# Allegro board 1140022-KU060_PCIE_FIBER_BOARD_V001_pcb166_20240120_1835_pcb.brd (continued)
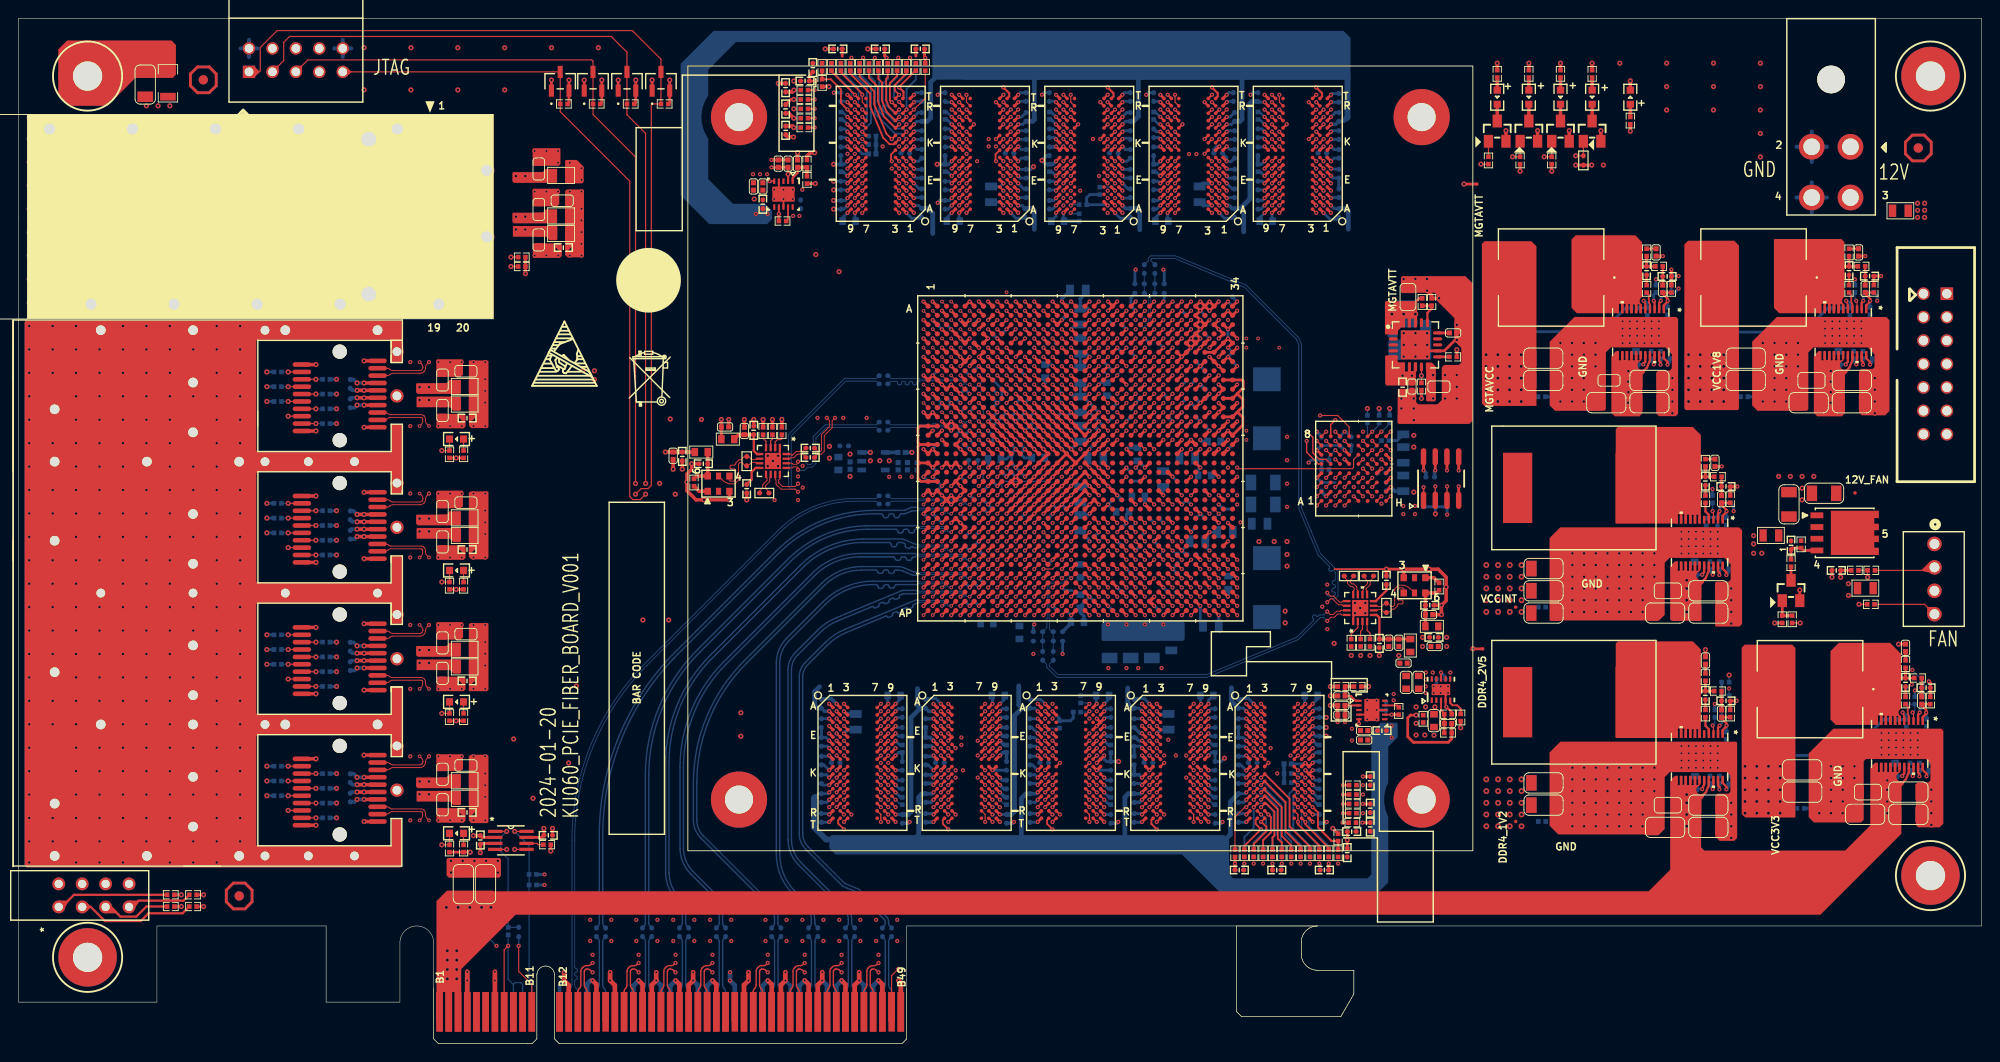
[diagram p0: board, top side]
## Footprints (pads in the part's own frame, mm; a bottom-side part is the same pattern mirrored in y, then rotated) (continued)
H485CGDL
  round 1.397 hole 0.889: 1(0,0) 2(0,-2.54) 3(0,-5.08) 4(0,-7.62) 5(2.5,-7.62) 6(2.5,-5.08) 7(2.5,-2.54) 8(2.5,0)
IHLP4040DZERR
  rect 2.921x3.251 smd: 1(-4.28,0) 2(4.28,0)
L0603
  rect 0.711x0.889 smd: 1(-0.7,0) 2(0.7,0)
L0805
  rect 0.813x1.346 smd: 1(-0.85,0) 2(0.85,0)
LED_0603
  rect 0.76x0.8 smd: 1(-0.759,0) 2(0.759,0)
LMK1D1204RGT
  rect 0.813x0.254 smd: 1(-1.448,0.75) 2(-1.448,0.25) 3(-1.448,-0.25) 4(-1.448,-0.75) 9(1.448,-0.75) 10(1.448,-0.25) 11(1.448,0.25) 12(1.448,0.75)
  rect 0.254x0.813 smd: 5(-0.75,-1.448) 6(-0.25,-1.448) 7(0.25,-1.448) 8(0.75,-1.448) 13(0.75,1.448) 14(0.25,1.448) 15(-0.25,1.448) 16(-0.75,1.448)
  rect 1.753x1.753 smd: 17(0,0)
MH_250H125
  round 6.35 hole 3.175: 1(0,0)
NDS331N
  rect 1.016x1.397 smd: 1(-0.95,-1.1) 2(0.95,-1.1) 3(0,1.1)
PA0513_441NLT
  rect 3.175x7.62 smd: 1(-6.195,0) 2(5.995,0)
PC28F512P30TFA_BGA64
  round 0.432 smd: A1(-3.5,3.5) A2(-2.5,3.5) A3(-1.5,3.5) A4(-0.5,3.5) A5(0.5,3.5) A6(1.5,3.5) A7(2.5,3.5) A8(3.5,3.5) B1(-3.5,2.5) B2(-2.5,2.5) B3(-1.5,2.5) B4(-0.5,2.5) B5(0.5,2.5) B6(1.5,2.5) B7(2.5,2.5) B8(3.5,2.5) C1(-3.5,1.5) C2(-2.5,1.5) C3(-1.5,1.5) C4(-0.5,1.5) C5(0.5,1.5) C6(1.5,1.5) C7(2.5,1.5) C8(3.5,1.5) D1(-3.5,0.5) D2(-2.5,0.5) D3(-1.5,0.5) D4(-0.5,0.5) D5(0.5,0.5) D6(1.5,0.5) D7(2.5,0.5) D8(3.5,0.5) E1(-3.5,-0.5) E2(-2.5,-0.5) E3(-1.5,-0.5) E4(-0.5,-0.5) E5(0.5,-0.5) E6(1.5,-0.5) E7(2.5,-0.5) E8(3.5,-0.5) F1(-3.5,-1.5) F2(-2.5,-1.5) F3(-1.5,-1.5) F4(-0.5,-1.5) F5(0.5,-1.5) F6(1.5,-1.5) F7(2.5,-1.5) F8(3.5,-1.5) G1(-3.5,-2.5) G2(-2.5,-2.5) G3(-1.5,-2.5) G4(-0.5,-2.5) G5(0.5,-2.5) G6(1.5,-2.5) G7(2.5,-2.5) G8(3.5,-2.5) H1(-3.5,-3.5) H2(-2.5,-3.5) H3(-1.5,-3.5) H4(-0.5,-3.5) H5(0.5,-3.5) H6(1.5,-3.5) H7(2.5,-3.5) H8(3.5,-3.5)
PCIE_8LANE_EDGE
  rect 0.711x3.2 smd: A1(0,0.495) B17(18,0.495) B31(32,0.495) B48(49,0.495)
  rect 0.711x4.293 smd: A2(1,-0.051) A3(2,-0.051) A4(3,-0.051) A5(4,-0.051) A6(5,-0.051) A7(6,-0.051) A8(7,-0.051) A9(8,-0.051) A10(9,-0.051) A11(10,-0.051) A12(13,-0.051) A13(14,-0.051) A14(15,-0.051) A15(16,-0.051) A16(17,-0.051) A17(18,-0.051) A18(19,-0.051) A19(20,-0.051) A20(21,-0.051) A21(22,-0.051) A22(23,-0.051) A23(24,-0.051) A24(25,-0.051) A25(26,-0.051) A26(27,-0.051) A27(28,-0.051) A28(29,-0.051) A29(30,-0.051) A30(31,-0.051) A31(32,-0.051) A32(33,-0.051) A33(34,-0.051) A34(35,-0.051) A35(36,-0.051) A36(37,-0.051) A37(38,-0.051) A38(39,-0.051) A39(40,-0.051) A40(41,-0.051) A41(42,-0.051) A42(43,-0.051) A43(44,-0.051) A44(45,-0.051) A45(46,-0.051) A46(47,-0.051) A47(48,-0.051) A48(49,-0.051) A49(50,-0.051) B1(0,-0.051) B2(1,-0.051) B3(2,-0.051) B4(3,-0.051) B5(4,-0.051) B6(5,-0.051) B7(6,-0.051) B8(7,-0.051) B9(8,-0.051) B10(9,-0.051) B11(10,-0.051) B12(13,-0.051) B13(14,-0.051) B14(15,-0.051) B15(16,-0.051) B16(17,-0.051) B18(19,-0.051) B19(20,-0.051) B20(21,-0.051) B21(22,-0.051) B22(23,-0.051) B23(24,-0.051) B24(25,-0.051) B25(26,-0.051) B26(27,-0.051) B27(28,-0.051) B28(29,-0.051) B29(30,-0.051) B30(31,-0.051) B32(33,-0.051) B33(34,-0.051) B34(35,-0.051) B35(36,-0.051) B36(37,-0.051) B37(38,-0.051) B38(39,-0.051) B39(40,-0.051) B40(41,-0.051) B41(42,-0.051) B42(43,-0.051) B43(44,-0.051) B44(45,-0.051) B45(46,-0.051) B46(47,-0.051) B47(48,-0.051) B49(50,-0.051)
POWERPAK_SO-8
  rect 1.397x0.635 smd: 1(-3.006,1.904) 2(-3.006,0.634) 3(-3.006,-0.636) 4(-3.006,-1.906)
  custom 5.2x4.8 smd: 5(1.112,-0.001)
  round 0.254 smd: 6(3.3,-0.7) 7(3.3,0.57) 8(3.3,1.84)
QSFP_38
  round 1.6 hole 1.6 unplated: (-1.4,-7.37) (15.4,-7.37)
  oval 0.356x1.803 smd: 1(0,0) 2(0.8,0) 3(1.6,0) 4(2.4,0) 5(3.2,0) 6(4,0) 7(4.8,0) 8(5.6,0) 9(6.4,0) 10(7.2,0) 11(8,0) 12(8.8,0) 13(9.6,0) 14(10.4,0) 15(11.2,0) 16(12,0) 17(12.8,0) 18(13.6,0) 19(14.4,0) 20(14,2.51) 21(13.2,2.51) 22(12.4,2.51) 23(11.6,2.51) 24(10.8,2.51) 25(10,2.51) 26(9.2,2.51) 27(8.4,2.51) 28(7.6,2.51) 29(6.8,2.51) 30(6,2.51) 31(5.2,2.51) 32(4.4,2.51) 33(3.6,2.51) 34(2.8,2.51) 35(2,2.51) 36(1.2,2.51) 37(0.4,2.51) 38(-0.4,2.51)
R0402
  rect 0.508x0.508 smd: 1(-0.4,0) 2(0.4,0)
R0402_BGA
  custom 0.559x0.508 smd: 1(-0.508,0) 2(0.508,0)
R1206
  rect 0.838x1.702 smd: 1(-1.45,0) 2(1.45,0)
SBH11-PBPC-D05-ST-BK
  rect 1.346x1.346 hole 0.94: 1(-5.08,-1.27)
  round 1.346 hole 0.94: 2(-5.08,1.27) 3(-2.54,-1.27) 4(-2.54,1.27) 5(0,-1.27) 6(0,1.27) 7(2.54,-1.27) 8(2.54,1.27) 9(5.08,-1.27) 10(5.08,1.27)
SBH11-PBPC-D07-ST-BK
  round 1.372 hole 1.016: 1(-2.54,0) 3(-2.54,-2.54) 4(0,-2.54) 5(-2.54,-5.08) 6(0,-5.08) 7(-2.54,-7.62) 8(0,-7.62) 9(-2.54,-10.16) 10(0,-10.16) 11(-2.54,-12.7) 12(0,-12.7) 13(-2.54,-15.24) 14(0,-15.24)
  rect 1.372x1.372 hole 1.016: 2(0,0)
SFP_1X4_CAGE
  round 1.549 hole 1.549 unplated: (-54.675,30.9) (-45.075,30.9) (-40.425,30.9) (-30.825,30.9) (-26.175,30.9) (-16.575,30.9) (-11.925,30.9) (-2.325,30.9)
  rect 2.007x2.007 hole 1.05: 1(-57,35) 3(-57,25) 5(-57,15) 6(-57,5) 7(-48.425,0) 8(-42.75,0) 9(-34.175,0) 10(-19.925,0) 11(-5.675,0) 12(0,0) 14(-14.25,5) 15(-42.75,10) 16(0,10) 17(-51.325,15) 18(-45.925,15) 19(-37.075,15) 20(-31.675,15) 22(-22.825,15) 23(-17.425,15) 24(-14.25,15) 25(-8.575,15) 26(-3.175,15) 27(-42.75,20) 28(0,20) 33(-14.25,25) 39(-14.25,35)
  round 1.448 hole 0.95: 2(-7.125,37.1) 4(-56.999,22.8) 13(-28.5,5) 21(-28.5,15) 29(-42.75,22.8) 30(-14.25,22.8) 31(0,22.8) 32(-28.5,25) 34(-42.75,27.5) 35(0,27.5) 36(-42.75,32.5) 37(0,32.5) 38(-28.5,35) 40(-54.675,37.1) 41(-49.875,37.1) 42(-40.425,37.1) 43(-35.625,37.1) 44(-26.175,37.1) 45(-21.375,37.1) 46(-11.925,37.1)
  oval 0.508x2.007 smd: A1(-53.275,26.8) A2(-52.475,26.8) A3(-51.675,26.8) A4(-50.875,26.8) A5(-50.075,26.8) A6(-49.275,26.8) A7(-48.475,26.8) A8(-47.675,26.8) A9(-46.875,26.8) A10(-46.075,26.8) A11(-46.475,35) A12(-47.275,35) A13(-48.075,35) A14(-48.875,35) A15(-49.675,35) A16(-50.475,35) A17(-51.275,35) A18(-52.075,35) A19(-52.875,35) A20(-53.675,35) B1(-39.025,26.8) B2(-38.225,26.8) B3(-37.425,26.8) B4(-36.625,26.8) B5(-35.825,26.8) B6(-35.025,26.8) B7(-34.225,26.8) B8(-33.425,26.8) B9(-32.625,26.8) B10(-31.825,26.8) B11(-32.225,35) B12(-33.025,35) B13(-33.825,35) B14(-34.625,35) B15(-35.425,35) B16(-36.225,35) B17(-37.025,35) B18(-37.825,35) B19(-38.625,35) B20(-39.425,35) C1(-24.775,26.8) C2(-23.975,26.8) C3(-23.175,26.8) C4(-22.375,26.8) C5(-21.575,26.8) C6(-20.775,26.8) C7(-19.975,26.8) C8(-19.175,26.8) C9(-18.375,26.8) C10(-17.575,26.8) C11(-17.975,35) C12(-18.775,35) C13(-19.575,35) C14(-20.375,35) C15(-21.175,35) C16(-21.975,35) C17(-22.775,35) C18(-23.575,35) C19(-24.375,35) C20(-25.175,35) D1(-10.525,26.8) D2(-9.725,26.8) D3(-8.925,26.8) D4(-8.125,26.8) D5(-7.325,26.8) D6(-6.525,26.8) D7(-5.725,26.8) D8(-4.925,26.8) D9(-4.125,26.8) D10(-3.325,26.8) D11(-3.725,35) D12(-4.525,35) D13(-5.325,35) D14(-6.125,35) D15(-6.925,35) D16(-7.725,35) D17(-8.525,35) D18(-9.325,35) D19(-10.125,35) D20(-10.925,35)
SMD-3225
  rect 0.711x0.762 smd: 1(-1.175,-0.825) 3(1.175,-0.825) 4(1.175,0.825) 6(-1.175,0.825)
  rect 0.559x0.762 smd: 2(0,-0.825) 5(0,0.825)
SOT-23
  rect 0.559x1.321 smd: 1(-0.953,-1.016) 2(0.953,-1.016) 3(0,1.016)
SPX3819M5-L-1-8
  rect 0.953x0.508 smd: 1(-1.276,0.95) 2(-1.276,0) 3(-1.276,-0.95) 4(1.276,-0.95) 5(1.276,0.95)
TESTPOINT
  round 0.381 smd: 1(0,0)
TMP75BID
  oval 1.9x0.6 smd: 1(-2.35,1.905) 2(-2.35,0.635) 3(-2.35,-0.635) 4(-2.35,-1.905) 5(2.35,-1.905) 6(2.35,-0.635) 7(2.35,0.635) 8(2.35,1.905)
TPS7A9201DSKR
  rect 0.6x0.25 smd: 1(-1.15,1) 2(-1.15,0.5) 3(-1.15,0) 4(-1.15,-0.5) 5(-1.15,-1) 6(1.15,-1) 7(1.15,-0.5) 8(1.15,0) 9(1.15,0.5) 10(1.15,1)
  rect 1.2x2 smd: 11(0,0)
TPS51200DRC
  rect 0.6x0.24 smd: 1(-1.4,1) 2(-1.4,0.5) 3(-1.4,0) 4(-1.4,-0.5) 5(-1.4,-1) 6(1.4,-1) 7(1.4,-0.5) 8(1.4,0) 9(1.4,0.5) 10(1.4,1)
  rect 1.65x2.4 smd: 11(0,0)
TPS53353DQP
  rect 0.85x0.28 smd: 1(-2.475,2.5) 2(-2.475,2) 3(-2.475,1.5) 4(-2.475,1) 5(-2.475,0.5) 6(-2.475,0) 7(-2.475,-0.5) 8(-2.475,-1) 9(-2.475,-1.5) 10(-2.475,-2) 11(-2.475,-2.5) 12(2.475,-2.5) 13(2.475,-2) 14(2.475,-1.5) 15(2.475,-1) 16(2.475,-0.5) 17(2.475,0) 18(2.475,0.5) 19(2.475,1) 20(2.475,1.5) 21(2.475,2) 22(2.475,2.5)
  rect 3.24x5.479 smd: 23(0,0)
TXS0102DCT
  rect 1.562x0.356 smd: 1(-1.695,0.975) 2(-1.695,0.325) 3(-1.695,-0.325) 4(-1.695,-0.975) 5(1.695,-0.975) 6(1.695,-0.325) 7(1.695,0.325) 8(1.695,0.975)
unnamed
  round 1.016 smd: 1(0,0)
VQFN-20
  oval 0.35x1 smd: 1(-1.3,-2.4) 2(-0.65,-2.4) 3(0,-2.4) 4(0.65,-2.4) 5(1.3,-2.4) 11(1.3,2.4) 12(0.65,2.4) 13(0,2.4) 14(-0.65,2.4) 15(-1.3,2.4)
  oval 1x0.35 smd: 6(2.4,-1.3) 7(2.4,-0.65) 8(2.4,0) 9(2.4,0.65) 10(2.4,1.3) 16(-2.4,1.3) 17(-2.4,0.65) 18(-2.4,0) 19(-2.4,-0.65) 20(-2.4,-1.3)
  rect 3.15x3.15 smd: 21(0,0)

## Nets
1V8_ROVP: R1248.2 R1250.1 U115.5(ROVP)
3V3_ROVP: R1254.2 R1256.1 U116.5(ROVP)
GND: C2.2(CAP1) C4.2 C5.2 C7.2(CAP1) C8.2 C9.2 C10.2(CAP1) C11.2(CAP1) C12.2 C13.2 C14.2(CAP1) C15.2(CAP1) C18.2(CAP1) C19.2(CAP1) C20.2(CAP1) C21.2(CAP1) C22.2(CAP1) C23.2(CAP1) C24.2 C25.2 C26.2(CAP1) C27.2(CAP1) C28.2 C29.2 C30.2(CAP1) C31.2(CAP1) C32.2 C33.2(CAP1) C34.2(CAP1) C35.2 C36.2(CAP1) C37.2(CAP1) C38.2 C39.2 C40.2(CAP1) C41.2(CAP1) C42.2 C43.2(CAP1) C44.2(CAP1) C45.2 C46.2(CAP1) C47.2(CAP1) C48.2(CAP1) C49.2 C50.2 C51.2(CAP1) C52.2(CAP1) C53.2 C54.2 C55.2(CAP1) C56.2(CAP1) C57.2 C58.2(CAP1) C59.2(CAP1) C60.2(CAP1) C61.2 C92.2 C93.2 C94.2(CAP1) C95.2(CAP1) C96.2(CAP1) C97.2(CAP1) C98.2(CAP1) C99.2 C100.2 C101.2 C102.2 C103.2(CAP1) C104.2(CAP1) C105.2(CAP1) C106.2(CAP1) C107.2(CAP1) C108.2(CAP1) C109.2(CAP1) C110.2(CAP1) C111.2(CAP1) C112.2(CAP1) C113.2(CAP1) C114.2(CAP1) C115.2(CAP1) C116.2(CAP1) C117.2(CAP1) C118.2(CAP1) C119.2 C120.2 C121.2(CAP1) C122.2(CAP1) C123.2(CAP1) C124.2(CAP1) C125.2(CAP1) C126.2(CAP1) C127.2(CAP1) C128.2(CAP1) C129.2(CAP1) C130.2(CAP1) C131.2(CAP1) C132.1(CAP2) C133.1(CAP2) C134.1(CAP2) C135.1(CAP2) C136.1(CAP2) C137.1(CAP2) C138.1(CAP2) C139.2(CAP1) C140.2(CAP1) C141.2(CAP1) C142.2(CAP1) C143.2(CAP1) C144.2(CAP1) C145.2(CAP1) C146.2(CAP1) C147.2(CAP1) C148.2(CAP1) C149.2(CAP1) C150.2(CAP1) C151.2(CAP1) C152.2(CAP1) C153.2(CAP1) C154.2(CAP1) C155.2(CAP1) C156.2(CAP1) C157.2(CAP1) C158.2(CAP1) C159.2(CAP1) C160.1(CAP2) C161.1(CAP2) C162.1(CAP2) C163.1(CAP2) C164.1(CAP2) C165.1(CAP2) C166.1(CAP2) C167.2(CAP1) C168.2(CAP1) C169.2 C170.2 C171.2(CAP1) C172.2(CAP1) C173.2(CAP1) C174.2(CAP1) C175.2(CAP1) C176.2(CAP1) C177.2 C178.2 C179.2 C180.2 C181.2(CAP1) C182.2 C183.2(CAP1) C184.2(CAP1) C185.2(CAP1) C186.2(CAP1) C187.2(CAP1) C188.2(CAP1) C189.2 C190.2 C191.2 C192.2 C193.2(CAP1) C194.2(CAP1) C195.2(CAP1) C196.2 C197.2(CAP1) C198.2(CAP1) C199.2(CAP1) C200.2(CAP1) C201.2(CAP1) C202.2(CAP1) C203.2 C204.2 C205.2 C206.2 C207.2(CAP1) C208.2(CAP1) C209.2(CAP1) C210.2(CAP1) C211.2(CAP1) C212.2(CAP1) C213.2 C214.2 C215.2(CAP1) C216.2(CAP1) C217.2(CAP1) C218.2(CAP1) C219.2(CAP1) C220.2(CAP1) C221.2 C222.2 C223.2 C224.2 C225.2 C226.2(CAP1) C227.2(CAP1) C228.2(CAP1) C229.2(CAP1) C230.2(CAP1) C231.2(CAP1) C232.2 C233.2 C234.2 C235.2 C236.2(CAP1) C237.2(CAP1) C238.2(CAP1) C239.2(CAP1) C240.2(CAP1) C241.1(CAP2) C242.2(CAP1) C243.1(CAP2) C244.2(CAP1) C245.2(CAP1) C246.2(CAP1) C247.2(CAP1) C248.2(CAP1) C249.2 C250.2 C251.2 C252.2 C253.2(CAP1) C254.2(CAP1) C255.2(CAP1) C256.2(CAP1) C258.2(CAP1) C259.2(CAP1) C260.2 C261.2 C262.2(CAP1) C263.2(CAP1) C264.2(CAP1) C265.2(CAP1) C266.2(CAP1) C267.2(CAP1) C268.2 C269.2 C270.2 C271.2 C272.2(CAP1) C273.2 C274.2(CAP1) C275.2(CAP1) C276.2(CAP1) C277.2(CAP1) C278.2(CAP1) C279.2(CAP1) C280.2 C281.2 C282.2 C283.2 C284.2(CAP1) C285.2(CAP1) C286.2(CAP1) C287.2 C288.2(CAP1) C289.2(CAP1) C290.2(CAP1) C291.2(CAP1) C292.2(CAP1) C293.2(CAP1) C294.2 C295.2 C296.2 C297.2 C298.2(CAP1) C299.2(CAP1) C300.2(CAP1) C301.2(CAP1) C302.2(CAP1) C303.2(CAP1) C304.2 C305.2 C306.2(CAP1) C307.2(CAP1) C308.2(CAP1) C309.2(CAP1) C310.2(CAP1) C311.2(CAP1) C312.2 C313.2 C314.2 C315.2 C316.2 C317.2(CAP1) C318.2(CAP1) C319.2(CAP1) C320.2(CAP1) C321.2(CAP1) C322.2(CAP1) C323.2 C324.2 C325.2 C326.2 C327.2(CAP1) C328.2(CAP1) C329.2(CAP1) C330.2(CAP1) C331.2(CAP1) C332.1(CAP2) C333.2(CAP1) C334.1(CAP2) C335.2(CAP1) C336.2(CAP1) C337.2(CAP1) C338.2(CAP1) C339.2(CAP1) C340.2 C341.2 C342.2 C343.2 C344.2(CAP1) C345.2(CAP1) C346.2(CAP1) C347.2(CAP1) C353.2 C354.2(CAP1) C355.2 C356.2(CAP1) C357.2 C360.2(CAP1) C363.2 C364.2(CAP1) C373.2 C374.2(CAP1) C375.2 C376.2(CAP1) C377.2 C378.2(CAP1) C549.2(CAP1) C552.2(CAP1) C1189.2(CAP1) C1190.2(CAP1) C1193.2(CAP1) C1194.2(CAP1) C1195.2(CAP1) C1196.2(CAP1) C1197.2(CAP1) C1198.2(CAP1) C1211.2 C1212.2 C1213.2 C1214.2(CAP1) C1215.2(CAP1) C1216.2(CAP1) C1219.1(CAP2) C1220.1(CAP2) C1221.2(CAP1) C1222.2(CAP1) C1223.2(CAP1) C1224.2(CAP1) C1241.2(CAP1) C1242.2(CAP1) C1245.2(CAP1) C1246.2(CAP1) C1247.2(CAP1) C1248.2(CAP1) C1249.2(CAP1) C1251.2(CAP1) C1252.2(CAP1) C1255.2(CAP1) C1256.2(CAP1) C1257.2(CAP1) C1258.2(CAP1) C1259.2(CAP1) C1261.2(CAP1) C1262.2(CAP1) C1265.2(CAP1) C1266.2(CAP1) C1267.2(CAP1) C1268.2(CAP1) C1269.2(CAP1) C1275.2 C1276.2 C1278.2 C1279.2 C1281.2(CAP1) C1372.2(CAP1) C1373.2(CAP1) C1374.2 C1375.2 C1376.2 C1377.2(CAP1) C1388.1(CAP2) C1392.2 C1393.2 C1399.2(CAP1) C1407.1(CAP2) C1420.2(CAP1) C1421.2(CAP1) C1422.2 C1432.2 C1473.2(CAP1) C1477.2 C1478.2(CAP1) C1480.2 C1481.2 C1487.2 C1488.2 C1491.2(CAP1) C1492.2(CAP1) C1493.1(CAP2) C1494.1(CAP2) C1495.2(CAP1) C1500.2(CAP1) C1501.2(CAP1) C1502.2(CAP1) C1503.2(CAP1) C1516.2(CAP1) C1518.2(CAP1) C1519.2(CAP1) C1520.2(CAP1) C1521.2(CAP1) C1526.2(CAP1) C1527.2(CAP1) C1528.2(CAP1) C1529.2(CAP1) C1534.2(CAP1) C1535.2(CAP1) C1536.2(CAP1) C1537.2(CAP1) C1542.2(CAP1) C1543.2(CAP1) C1544.2(CAP1) C1545.2(CAP1) C1550.1(CAP2) C1552.1(CAP2) C1553.1(CAP2) C1554.1(CAP2) C1563.1(CAP2) C1565.2 C1566.2(CAP1) C1567.2 C1568.2(CAP1) C1569.2 C1570.2(CAP1) C1571.2 C1572.2(CAP1) C1573.2 C1574.2(CAP1) C1575.2 C1576.2(CAP1) C2502.2(CAP1) C2505.2(CAP1) C2506.2 C2507.2(CAP1) C2508.2 C2509.2(CAP1) C2510.2 C2511.2(CAP1) C2512.1(CAP2) C2513.2(CAP1) D1.1 D2.1 D3.1 D4.1 DS11.2 J1.2 J1.10 J3.1(GND1) J3.4(GND2) J3.7(GND3) J3.13(GND4) J3.16(GND5) J3.19(GND6) J3.20(GND7) J3.23(GND8) J3.26(GND9) J3.32(GND10) J3.35(GND11) J3.38(GND12) J4.1(MH1) J4.2(MH2) J4.3(MH3) J4.4(MH4) J4.5(MH5) J4.6(MH6) J4.7(MH7) J4.8(MH8) J4.9(MH9) J4.10(MH10) J4.11(MH11) J4.12(MH12) J19.2 J19.13 J19.14 J59.2(GND#2) J59.4(GND#4) L52.2 L152.1 P1.1(SHIELD1) P1.2(SHIELD2) P1.3(SHIELD3) P1.4(SHIELD4) P1.5(SHIELD5) P1.6(SHIELD6) P1.7(SHIELD7) P1.8(SHIELD8) P1.9(SHIELD9) P1.10(SHIELD10) P1.11(SHIELD11) P1.12(SHIELD12) P1.13(SHIELD13) P1.14(SHIELD14) P1.15(SHIELD15) P1.16(SHIELD16) P1.17(SHIELD17) P1.18(SHIELD18) P1.19(SHIELD19) P1.20(SHIELD20) P1.21(SHIELD21) P1.22(SHIELD22) P1.23(SHIELD23) P1.24(SHIELD24) P1.25(SHIELD25) P1.26(SHIELD26) P1.27(SHIELD27) P1.28(SHIELD28) P1.29(SHIELD29) P1.30(SHIELD30) P1.31(SHIELD31) P1.32(SHIELD32) P1.33(SHIELD33) P1.34(SHIELD34) P1.35(SHIELD35) P1.36(SHIELD36) P1.37(SHIELD37) P1.38(SHIELD38) P1.39(SHIELD39) P1.40(SHIELD40) P1.41(SHIELD41) P1.42(SHIELD42) P1.43(SHIELD43) P1.44(SHIELD44) P1.45(SHIELD45) P1.46(SHIELD46) P1.A1(A_VEET_1) P1.A10(A_VEER_1) P1.A11(A_VEER_2) P1.A14(A_VEER_3) P1.A17(A_VEET_2) P1.A20(A_VEET_3) P1.B1(B_VEET_1) P1.B10(B_VEER_1) P1.B11(B_VEER_2) P1.B14(B_VEER_3) P1.B17(B_VEET_2) P1.B20(B_VEET_3) P1.C1(C_VEET_1) P1.C10(C_VEER_1) P1.C11(C_VEER_2) P1.C14(C_VEER_3) P1.C17(C_VEET_2) P1.C20(C_VEET_3) P1.D1(D_VEET_1) P1.D10(D_VEER_1) P1.D11(D_VEER_2) P1.D14(D_VEER_3) P1.D17(D_VEET_2) P1.D20(D_VEET_3) Q1.2(SOURCE) Q2.2(SOURCE) Q3.2(SOURCE) Q9.2(SOURCE) Q19.2(SOURCE) R6.2 R8.2 R11.2 R14.2 R16.2 R18.2 R23.2 R25.2 R34.2 R37.1 R38.1 R39.1 R43.2 R44.1 R45.2 R46.2 R47.1 R48.1 R52.1 R53.1 R54.2 R55.1 R56.2 R57.2 R58.1 R59.1 R63.1 R64.1 R65.2 R66.1 R69.2 R70.1 R71.2 R72.1 R75.2 R76.2 R77.2 R78.1 R79.1 R82.1 R101.1 R109.2 R111.1 R115.2 R116.1 R117.2 R118.1 R121.2 R122.2 R123.2 R124.1 R125.1 R128.1 R145.1 R155.2 R157.1 R247.1 R581.1 R582.1 R583.2 R584.1 R586.1 R589.1 R602.1 R603.1 R604.2 R605.1 R608.1 R632.1 R633.1 R634.2 R638.2 R641.1 R650.1 R652.2 R670.2 R726.1 R727.1 R728.1 R755.1 R769.1 R770.1 R841.1 R843.2 R891.1 R892.1 R897.1 R898.1 R903.2 R905.1 R909.1 R910.1 R928.1 R1241.2 R1244.1 R1245.1 R1246.1 R1248.1 R1253.1 R1254.1 R1257.2 R1258.2 R1259.2 R1279.1 TP166.1(PIN1) TP168.1(PIN1) TP170.1(PIN1) TP171.1(PIN1) TP172.1(PIN1) U1.A1(GND_1) U1.A2(GND_3) U1.A5(GND_8) U1.A6(GND_9) U1.A7(GND_10) U1.A11(GND_2) U1.A21(GND_4) U1.A30(GND_5) U1.A31(GND_6) U1.A32(GND_7) U1.AA1(GND_11) U1.AA2(GND_17) U1.AA5(GND_20) U1.AA11(GND_12) U1.AA13(GND_13) U1.AA15(GND_14) U1.AA17(GND_15) U1.AA19(GND_16) U1.AA21(GND_18) U1.AA31(GND_19) U1.AB3(GND_27) U1.AB4(GND_28) U1.AB8(GND_29) U1.AB10(GND_21) U1.AB12(GND_22) U1.AB14(GND_23) U1.AB16(GND_24) U1.AB18(GND_25) U1.AB28(GND_26) U1.AC1(GND_30) U1.AC5(GND_37) U1.AC11(GND_31) U1.AC13(GND_32) U1.AC15(GND_33) U1.AC17(GND_34) U1.AC19(GND_35) U1.AC25(GND_36) U1.AD4(GND_41) U1.AD12(GND_38) U1.AD22(GND_39) U1.AD32(GND_40) U1.AE1(GND_42) U1.AE2(GND_44) U1.AE5(GND_46) U1.AE7(GND_47) U1.AE9(GND_48) U1.AE19(GND_43) U1.AE29(GND_45) U1.AF3(GND_51) U1.AF4(GND_52) U1.AF7(GND_53) U1.AF16(GND_49) U1.AF26(GND_50) U1.AG1(GND_54) U1.AG5(GND_58) U1.AG7(GND_59) U1.AG13(GND_55) U1.AG23(GND_56) U1.AG33(GND_57) U1.AH4(GND_63) U1.AH7(GND_64) U1.AH10(GND_60) U1.AH20(GND_61) U1.AH30(GND_62) U1.AJ1(GND_65) U1.AJ2(GND_67) U1.AJ5(GND_69) U1.AJ7(GND_70) U1.AJ17(GND_66) U1.AJ27(GND_68) U1.AK3(GND_73) U1.AK4(GND_75) U1.AK7(GND_76) U1.AK14(GND_71) U1.AK24(GND_72) U1.AK34(GND_74) U1.AL1(GND_77) U1.AL5(GND_81) U1.AL7(GND_82) U1.AL11(GND_78) U1.AL21(GND_79) U1.AL31(GND_80) U1.AM4(GND_85) U1.AM7(GND_86) U1.AM8(GND_87) U1.AM18(GND_83) U1.AM28(GND_84) U1.AN1(GND_88) U1.AN2(GND_90) U1.AN5(GND_92) U1.AN7(GND_93) U1.AN15(GND_89) U1.AN25(GND_91) U1.AP3(GND_96) U1.AP4(GND_98) U1.AP7(GND_99) U1.AP12(GND_94) U1.AP22(GND_95) U1.AP32(GND_97) U1.B3(GND_102) U1.B4(GND_106) U1.B7(GND_107) U1.B8(GND_108) U1.B18(GND_100) U1.B28(GND_101) U1.B30(GND_103) U1.B33(GND_104) U1.B34(GND_105) U1.C1(GND_109) U1.C5(GND_114) U1.C7(GND_115) U1.C15(GND_110) U1.C25(GND_111) U1.C30(GND_112) U1.C31(GND_113) U1.D4(GND_120) U1.D7(GND_121) U1.D12(GND_116) U1.D22(GND_117) U1.D30(GND_118) U1.D34(GND_119) U1.E1(GND_122) U1.E2(GND_124) U1.E5(GND_128) U1.E7(GND_129) U1.E9(GND_130) U1.E19(GND_123) U1.E29(GND_125) U1.E30(GND_126) U1.E32(GND_127) U1.F3(GND_135) U1.F4(GND_138) U1.F7(GND_139) U1.F16(GND_131) U1.F26(GND_132) U1.F28(GND_133) U1.F29(GND_134) U1.F33(GND_136) U1.F34(GND_137) U1.G1(GND_140) U1.G5(GND_145) U1.G7(GND_146) U1.G13(GND_141) U1.G23(GND_142) U1.G28(GND_143) U1.G31(GND_144) U1.H4(GND_152) U1.H7(GND_153) U1.H10(GND_147) U1.H20(GND_148) U1.H28(GND_149) U1.H30(GND_150) U1.H34(GND_151) U1.J1(GND_154) U1.J2(GND_156) U1.J5(GND_160) U1.J7(GND_161) U1.J17(GND_155) U1.J27(GND_157) U1.J28(GND_158) U1.J32(GND_159) U1.K3(GND_165) U1.K4(GND_168) U1.K14(GND_162) U1.K24(GND_163) U1.K28(GND_164) U1.K30(GND_166) U1.K34(GND_167) U1.L1(GND_169) U1.L5(GND_174) U1.L11(GND_170) U1.L21(GND_171) U1.L28(GND_172) U1.L31(GND_173) U1.M4(GND_184) U1.M8(GND_185) U1.M10(GND_175) U1.M12(GND_176) U1.M14(GND_177) U1.M16(GND_178) U1.M18(GND_179) U1.M28(GND_180) U1.M30(GND_181) U1.M33(GND_182) U1.M34(GND_183) U1.N1(GND_186) U1.N2(GND_192) U1.N5(GND_196) U1.N9(GND_197) U1.N11(GND_187) U1.N13(GND_188) U1.N15(GND_189) U1.N17(GND_190) U1.N19(GND_191) U1.N25(GND_193) U1.N28(GND_194) U1.N32(GND_195) U1.P3(GND_205) U1.P4(GND_208) U1.P8(GND_209) U1.P10(GND_198) U1.P12(GND_199) U1.P14(GND_200) U1.P16(GND_201) U1.P18(GND_202) U1.P22(GND_203) U1.P28(GND_204) U1.P30(GND_206) U1.P34(GND_207) U1.R1(GND_210) U1.R5(GND_218) U1.R9(GND_219) U1.R11(GND_211) U1.R13(GND_212) U1.R15(GND_213) U1.R17(GND_214) U1.R19(GND_215) U1.R28(GND_216) U1.R31(GND_217) U1.T4(GND_232) U1.T8(GND_233) U1.T10(GND_220) U1.T12(GND_221) U1.T14(GND_222) U1.T16(GND_223) U1.T18(GND_224) U1.T20(GND_225) U1.T26(GND_226) U1.T28(GND_227) U1.T29(GND_228) U1.T30(GND_229) U1.T33(GND_230) U1.T34(GND_231) U1.U1(GND_234) U1.U2(GND_239) U1.U5(GND_245) U1.U13(GND_235) U1.U15(GND_236) U1.U17(GND_237) U1.U19(GND_238) U1.U23(GND_240) U1.U30(GND_241) U1.U31(GND_242) U1.U32(GND_243) U1.U33(GND_244) U1.V3(GND_251) U1.V4(GND_253) U1.V8(GND_254) U1.V10(GND_246) U1.V12(VP) U1.V14(GND_247) U1.V16(GND_248) U1.V18(GND_249) U1.V20(GND_250) U1.V30(GND_252) U1.W1(GND_255) U1.W5(GND_261) U1.W11(VN) U1.W13(GND_256) U1.W15(GND_257) U1.W17(GND_258) U1.W19(GND_259) U1.W27(GND_260) U1.Y4(GND_269) U1.Y8(GND_270) U1.Y10(GND_262) U1.Y11(DXN) U1.Y12(DXP) U1.Y14(GND_263) U1.Y16(GND_264) U1.Y18(GND_265) U1.Y20(GND_266) U1.Y24(GND_267) U1.Y34(GND_268) U2.B2(VSS0) U2.H2(VSS1) U2.H4(VSS2) U2.H6(VSS3) U3.A2(VSSQ1) U3.A8(VSSQ2) U3.B2(VSS1) U3.C9(VSSQ3) U3.D2(VSSQ4) U3.D8(VSSQ5) U3.E1(VSS2) U3.E3(VSSQ6) U3.E8(VSSQ7) U3.E9(VSS3) U3.F1(VSSQ8) U3.G8(VSS4) U3.H1(VSSQ9) U3.H9(VSSQ10) U3.K1(VSS5) U3.K9(VSS6) U3.M9(VSS7) U3.N1(VSS8) U3.T1(VSS9) U4.A2(VSSQ1) U4.A8(VSSQ2) U4.B2(VSS1) U4.C9(VSSQ3) U4.D2(VSSQ4) U4.D8(VSSQ5) U4.E1(VSS2) U4.E3(VSSQ6) U4.E8(VSSQ7) U4.E9(VSS3) U4.F1(VSSQ8) U4.G8(VSS4) U4.H1(VSSQ9) U4.H9(VSSQ10) U4.K1(VSS5) U4.K9(VSS6) U4.M9(VSS7) U4.N1(VSS8) U4.T1(VSS9) U5.A2(VSSQ1) U5.A8(VSSQ2) U5.B2(VSS1) U5.C9(VSSQ3) U5.D2(VSSQ4) U5.D8(VSSQ5) U5.E1(VSS2) U5.E3(VSSQ6) U5.E8(VSSQ7) U5.E9(VSS3) U5.F1(VSSQ8) U5.G8(VSS4) U5.H1(VSSQ9) U5.H9(VSSQ10) U5.K1(VSS5) U5.K9(VSS6) U5.M9(VSS7) U5.N1(VSS8) U5.T1(VSS9) U6.A2(VSSQ1) U6.A8(VSSQ2) U6.B2(VSS1) U6.C9(VSSQ3) U6.D2(VSSQ4) U6.D8(VSSQ5) U6.E1(VSS2) U6.E3(VSSQ6) U6.E8(VSSQ7) U6.E9(VSS3) U6.F1(VSSQ8) U6.G8(VSS4) U6.H1(VSSQ9) U6.H9(VSSQ10) U6.K1(VSS5) U6.K9(VSS6) U6.M9(VSS7) U6.N1(VSS8) U6.T1(VSS9) U7.A2(VSSQ1) U7.A8(VSSQ2) U7.B2(VSS1) U7.C9(VSSQ3) U7.D2(VSSQ4) U7.D8(VSSQ5) U7.E1(VSS2) U7.E3(VSSQ6) U7.E8(VSSQ7) U7.E9(VSS3) U7.F1(VSSQ8) U7.G8(VSS4) U7.H1(VSSQ9) U7.H9(VSSQ10) U7.K1(VSS5) U7.K9(VSS6) U7.M9(VSS7) U7.N1(VSS8) U7.T1(VSS9) U8.4(PGND) U8.8(GND) U8.11(THERMAL) U9.A2(VSSQ1) U9.A8(VSSQ2) U9.B2(VSS1) U9.C9(VSSQ3) U9.D2(VSSQ4) U9.D8(VSSQ5) U9.E1(VSS2) U9.E3(VSSQ6) U9.E8(VSSQ7) U9.E9(VSS3) U9.F1(VSSQ8) U9.G8(VSS4) U9.H1(VSSQ9) U9.H9(VSSQ10) U9.K1(VSS5) U9.K9(VSS6) U9.M9(VSS7) U9.N1(VSS8) U9.T1(VSS9) U10.A2(VSSQ1) U10.A8(VSSQ2) U10.B2(VSS1) U10.C9(VSSQ3) U10.D2(VSSQ4) U10.D8(VSSQ5) U10.E1(VSS2) U10.E3(VSSQ6) U10.E8(VSSQ7) U10.E9(VSS3) U10.F1(VSSQ8) U10.G8(VSS4) U10.H1(VSSQ9) U10.H9(VSSQ10) U10.K1(VSS5) U10.K9(VSS6) U10.M9(VSS7) U10.N1(VSS8) U10.T1(VSS9) U11.A2(VSSQ1) U11.A8(VSSQ2) U11.B2(VSS1) U11.C9(VSSQ3) U11.D2(VSSQ4) U11.D8(VSSQ5) U11.E1(VSS2) U11.E3(VSSQ6) U11.E8(VSSQ7) U11.E9(VSS3) U11.F1(VSSQ8) U11.G8(VSS4) U11.H1(VSSQ9) U11.H9(VSSQ10) U11.K1(VSS5) U11.K9(VSS6) U11.M9(VSS7) U11.N1(VSS8) U11.T1(VSS9) U12.A2(VSSQ1) U12.A8(VSSQ2) U12.B2(VSS1) U12.C9(VSSQ3) U12.D2(VSSQ4) U12.D8(VSSQ5) U12.E1(VSS2) U12.E3(VSSQ6) U12.E8(VSSQ7) U12.E9(VSS3) U12.F1(VSSQ8) U12.G8(VSS4) U12.H1(VSSQ9) U12.H9(VSSQ10) U12.K1(VSS5) U12.K9(VSS6) U12.M9(VSS7) U12.N1(VSS8) U12.T1(VSS9) U13.A2(VSSQ1) U13.A8(VSSQ2) U13.B2(VSS1) U13.C9(VSSQ3) U13.D2(VSSQ4) U13.D8(VSSQ5) U13.E1(VSS2) U13.E3(VSSQ6) U13.E8(VSSQ7) U13.E9(VSS3) U13.F1(VSSQ8) U13.G8(VSS4) U13.H1(VSSQ9) U13.H9(VSSQ10) U13.K1(VSS5) U13.K9(VSS6) U13.M9(VSS7) U13.N1(VSS8) U13.T1(VSS9) U14.4(PGND) U14.8(GND) U14.11(THERMAL) U108.23(EPAD) U110.12(GND) U110.21(EP) U111.23(EPAD) U114.23(EPAD) U115.23(EPAD) U116.23(EPAD) U117.4(GND) U117.11(PAD) U129.1(GND) U129.17(EPAD) U131.1(GND) U131.17(EPAD) U150.4(GND) U150.5(A2) U150.6(A1) U150.7(A0) U154.2(GND) U249.A4(GND2) U249.A12(GND37) U249.A15(GND36) U249.A18(GND35) U249.A20(GND34) U249.A23(GND33) U249.A24(GND32) U249.A27(GND31) U249.A28(GND30) U249.A31(GND29) U249.A34(GND28) U249.A37(GND27) U249.A38(GND26) U249.A41(GND25) U249.A42(GND24) U249.A45(GND23) U249.A46(GND22) U249.A49(GND21) U249.B4(GND1) U249.B7(GND3) U249.B13(GND4) U249.B16(GND5) U249.B18(GND6) U249.B21(GND7) U249.B22(GND8) U249.B25(GND9) U249.B26(GND10) U249.B29(GND11) U249.B32(GND12) U249.B35(GND13) U249.B36(GND14) U249.B39(GND15) U249.B40(GND16) U249.B43(GND17) U249.B44(GND18) U249.B47(GND19) U249.B49(GND20) U329.2(GND) X1.3(GND) X3.3(GND)
VCC1V8: C2.1(CAP2) C4.1 C5.1 C7.1(CAP2) C12.1 C13.1 C14.1(CAP2) C15.1(CAP2) C24.1 C25.1 C26.1(CAP2) C27.1(CAP2) C28.1 C29.1 C30.1(CAP2) C31.1(CAP2) C1211.1 C1214.1(CAP2) C1473.1(CAP2) C1487.1 C1492.1(CAP2) C1495.1(CAP2) C1526.1(CAP2) C1527.1(CAP2) C1528.1(CAP2) C1529.1(CAP2) C1531.2(CAP1) D1.2 D2.2 D3.2 D4.2 J1.4 L1.1 L2.1 L161.2 L233.2 R3.1 R4.1 R12.1 R13.1 R15.1 R17.1 R19.2 R20.2 R21.2 R22.2 R26.1 R27.1 R28.1 R29.1 R30.1 R611.1 R767.2 R768.2 R775.1 R829.1 R830.1 R831.1 R845.1 R897.2 R918.2 R1250.2 TP161.1(PIN1) U1.AA26(VCCO_47_1) U1.AB9(VCCO_0_1) U1.AB23(VCCO_47_2) U1.AB33(VCCO_48_1) U1.AC20(VCCO_47_3) U1.AC30(VCCO_48_2) U1.AD7(VBATT) U1.AD27(VCCO_48_3) U1.AE34(VCCO_48_4) U1.AF31(VCCO_48_5) U1.H25(VCCO_65_1) U1.J22(VCCO_65_2) U1.L26(VCCO_65_3) U1.M23(VCCO_65_4) U1.N20(VCCO_65_5) U1.P27(VCCO_65_6) U1.R24(VCCO_65_7) U1.T21(VCCO_47_4) U1.U28(VCCO_47_5) U1.V25(VCCO_47_6) U1.W22(VCCO_47_7) U1.W32(VCCO_48_6) U1.Y9(VCCO_0_2) U1.Y29(VCCO_48_7) U110.5(IN1) U110.6(IN2) U110.7(IN3) U110.8(IN4) U150.8(VS) U154.3(VCCA)
